# KiCad board cleanrobot-square-main.kicad_pcb (continued)
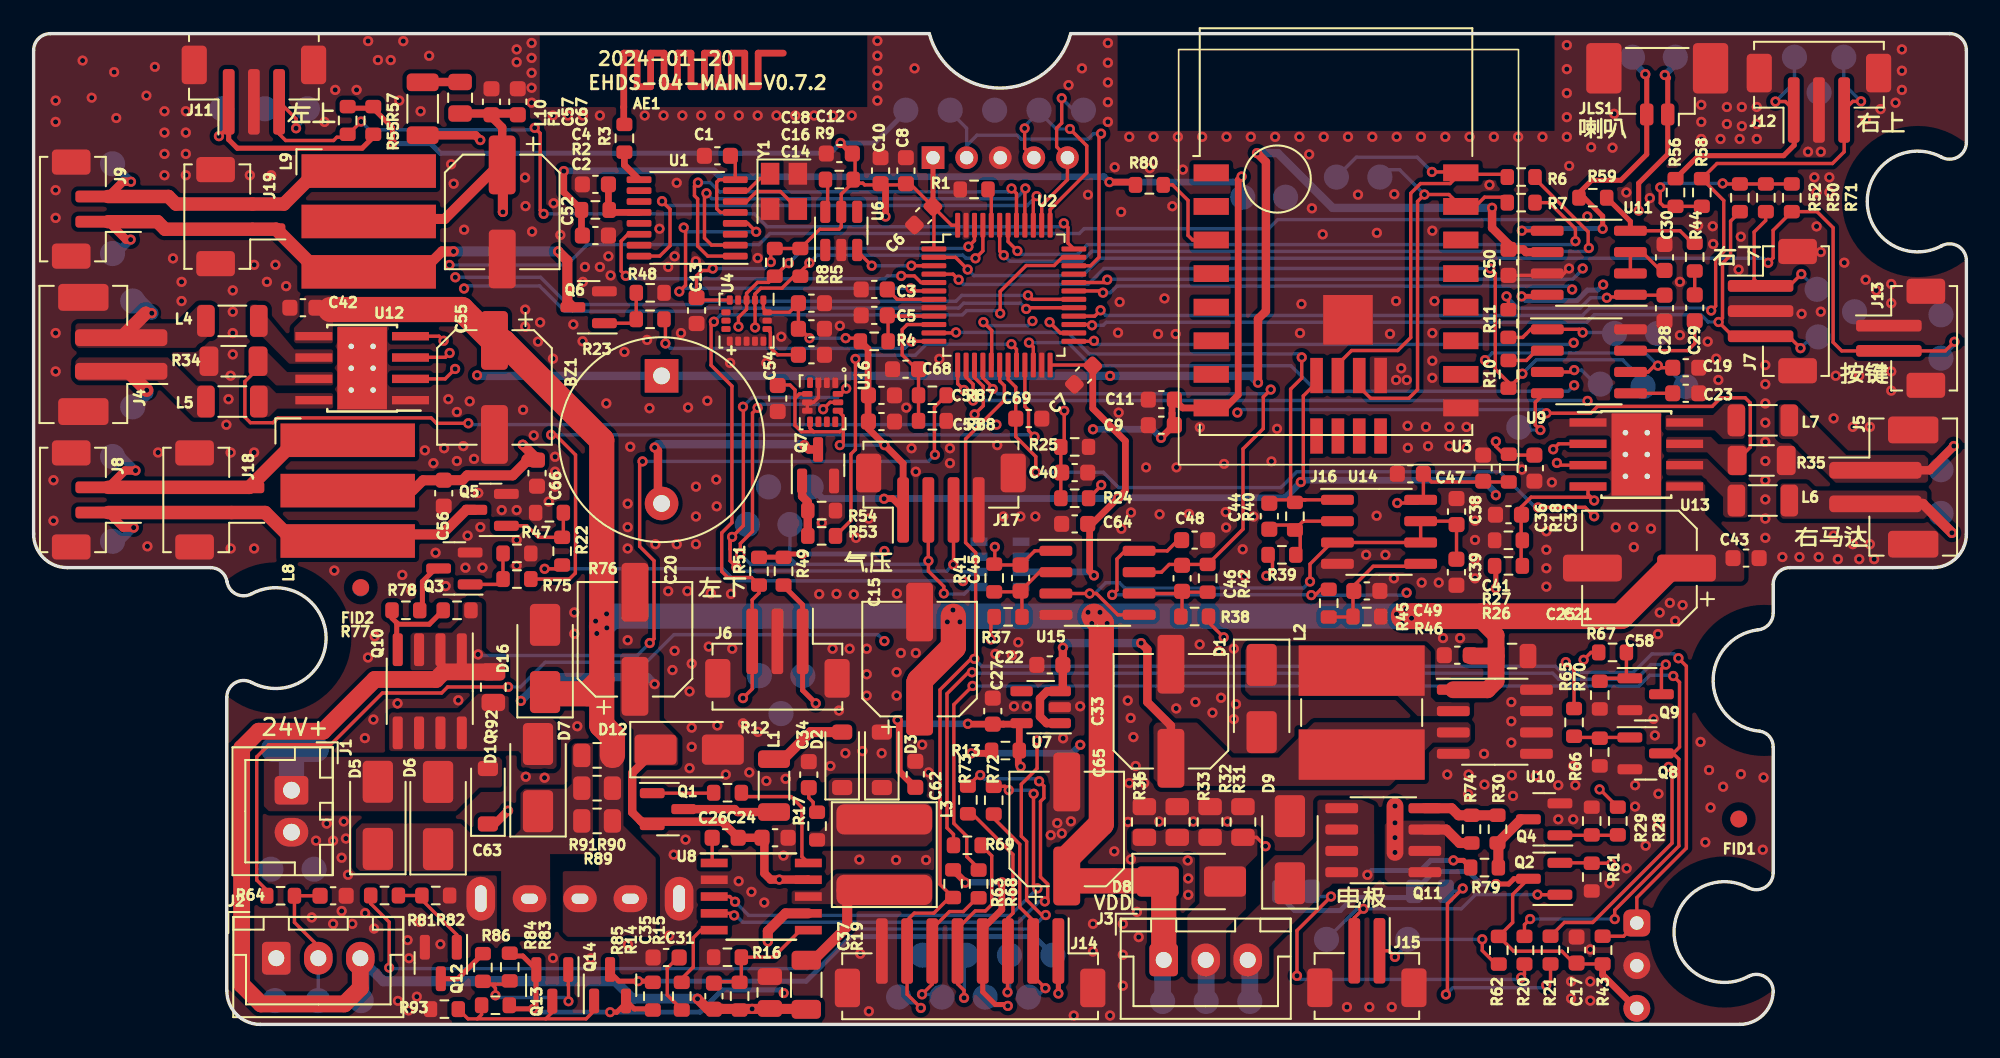
[diagram p0: board, top side]
## Footprints (pads in the part's own frame, mm; a bottom-side part is the same pattern mirrored in y, then rotated)
Buzzer_12x9.5RM7.6
  rect 2x2 hole 1: 1(0,0)
  round 2 hole 1: 2(7.6,0)
C_0603_1608Metric
  rrect 0.9x0.95 smd: 1(-0.775,0) 2(0.775,0)
C_0805_2012Metric
  rrect 1x1.45 smd: 1(-0.95,0) 2(0.95,0)
CP_Elec_6.3x5.4
  rrect 3.5x1.6 smd: 1(-2.8,0) 2(2.8,0)
D_SMA
  rrect 2.5x1.8 smd: 1(-2,0) 2(2,0)
D_SOD-123
  rrect 0.9x1.2 smd: 1(-1.65,0) 2(1.65,0)
Everlight_IRM-3640CF45
  rrect 1.6x1.6 hole 0.8: 1(-6.95,2.54)
  round 1.6 hole 0.8: 2(-6.95,0) 3(-6.95,-2.54)
Fiducial_1mm_Mask2mm
  round 1 smd: (0,0)
Fuse_0805_2012Metric
  rrect 0.975x1.4 smd: 1(-0.938,0) 2(0.938,0)
HOPERF_LGA-8_3.8x3.6mm_P0.9mm
  rect 1x0.5 smd: 1(-1.25,1.35) 2(-1.25,0.45) 3(-1.25,-0.45) 4(-1.25,-1.35) 5(1.25,-1.35) 6(1.25,-0.45) 7(1.25,0.45) 8(1.25,1.35)
JST_PH_B2B-PH-SM4-TB_1x02-1MP_P2.00mm_Vertical
  rrect 1x5.5 smd: 1(-1,-0.5) 2(1,-0.5)
  rrect 1.6x3 smd: MP(-3.4,1.75) MP(3.4,1.75)
JST_XH_B2B-XH-A_1x02_P2.50mm_Vertical
  rrect 1.7x2 hole 1: 1(0,0)
  oval 1.7x2 hole 1: 2(2.5,0)
JST_XH_B3B-XH-A_1x03_P2.50mm_Vertical
  rrect 1.7x1.95 hole 0.95: 1(0,0)
  oval 1.7x1.95 hole 0.95: 2(2.5,0) 3(5,0)
JST_ZH_B2B-ZR-SM4-TF_1x02-1MP_P1.50mm_Vertical
  rrect 0.7x3.9 smd: 1(-0.75,-0.7) 2(0.75,-0.7)
  rrect 1.5x2.3 smd: MP(-2.8,1.5) MP(2.8,1.5)
JST_ZH_B3B-ZR-SM4-TF_1x03-1MP_P1.50mm_Vertical
  rrect 0.7x3.9 smd: 1(-1.5,-0.7) 2(0,-0.7) 3(1.5,-0.7)
  rrect 1.5x2.3 smd: MP(-3.55,1.5) MP(3.55,1.5)
JST_ZH_B4B-ZR-SM4-TF_1x04-1MP_P1.50mm_Vertical
  rrect 0.7x3.9 smd: 1(-2.25,-0.7) 2(-0.75,-0.7) 3(0.75,-0.7) 4(2.25,-0.7)
  rrect 1.5x2.3 smd: MP(-4.3,1.5) MP(4.3,1.5)
JST_ZH_B8B-ZR-SM4-TF_1x08-1MP_P1.50mm_Vertical
  rrect 0.7x3.9 smd: 1(-5.25,-0.7) 2(-3.75,-0.7) 3(-2.25,-0.7) 4(-0.75,-0.7) 5(0.75,-0.7) 6(2.25,-0.7) 7(3.75,-0.7) 8(5.25,-0.7)
  rrect 1.5x2.3 smd: MP(-7.3,1.5) MP(7.3,1.5)
L_1206_3216Metric
  rrect 1.05x1.9 smd: 1(-1.575,0) 2(1.575,0)
L_GZJ_CD75
  rect 3x7.5 smd: 1(-2.5,0) 2(2.5,0)
L_GZJ_WNR6045
  rrect 1.8x5.7 smd: 1(-2.1,0) 2(2.1,0)
L_WLJ_CD0805
  rect 2x8 smd: 1(0,0) 2(-3,0) 3(3,0)
LED_0805_2012Metric
  rrect 0.975x1.4 smd: 1(-0.938,0) 2(0.938,0)
LGA-14_3x2.5mm_P0.5mm_LayoutBorder3x4y
  rrect 0.625x0.35 smd: 1(-1.163,0.75) 2(-1.163,0.25) 3(-1.163,-0.25) 4(-1.163,-0.75) 8(1.163,-0.75) 9(1.163,-0.25) 10(1.163,0.25) 11(1.163,0.75)
  rrect 0.35x0.625 smd: 5(-0.5,-0.912) 6(0,-0.912) 7(0.5,-0.912) 12(0.5,0.912) 13(0,0.912) 14(-0.5,0.912)
LGA-16_3x3mm_P0.5mm_LayoutBorder3x5y
  rrect 0.55x0.35 smd: 1(-1.225,1) 2(-1.225,0.5) 3(-1.225,0) 4(-1.225,-0.5) 5(-1.225,-1) 9(1.225,-1) 10(1.225,-0.5) 11(1.225,0) 12(1.225,0.5) 13(1.225,1)
  rrect 0.35x0.55 smd: 6(-0.5,-1.225) 7(0,-1.225) 8(0.5,-1.225) 14(0.5,1.225) 15(0,1.225) 16(-0.5,1.225)
LQFP-48_7x7mm_P0.5mm
  rrect 1.475x0.3 smd: 1(-4.162,2.75) 2(-4.162,2.25) 3(-4.162,1.75) 4(-4.162,1.25) 5(-4.162,0.75) 6(-4.162,0.25) 7(-4.162,-0.25) 8(-4.162,-0.75) 9(-4.162,-1.25) 10(-4.162,-1.75) 11(-4.162,-2.25) 12(-4.162,-2.75) 25(4.162,-2.75) 26(4.162,-2.25) 27(4.162,-1.75) 28(4.162,-1.25) 29(4.162,-0.75) 30(4.162,-0.25) 31(4.162,0.25) 32(4.162,0.75) 33(4.162,1.25) 34(4.162,1.75) 35(4.162,2.25) 36(4.162,2.75)
  rrect 0.3x1.475 smd: 13(-2.75,-4.162) 14(-2.25,-4.162) 15(-1.75,-4.162) 16(-1.25,-4.162) 17(-0.75,-4.162) 18(-0.25,-4.162) 19(0.25,-4.162) 20(0.75,-4.162) 21(1.25,-4.162) 22(1.75,-4.162) 23(2.25,-4.162) 24(2.75,-4.162) 37(2.75,4.162) 38(2.25,4.162) 39(1.75,4.162) 40(1.25,4.162) 41(0.75,4.162) 42(0.25,4.162) 43(-0.25,4.162) 44(-0.75,4.162) 45(-1.25,4.162) 46(-1.75,4.162) 47(-2.25,4.162) 48(-2.75,4.162)
Molex_PicoBlade_53398-0271_1x02-1MP_P1.25mm_Vertical
  rrect 0.8x1.3 smd: 1(-0.625,1.25) 2(0.625,1.25)
  rrect 2.1x3 smd: MP(-3.175,-1.5) MP(3.175,-1.5)
Oscillator_SMD_Abracon_ASE-4Pin_3.2x2.5mm
  rect 1.3x1.1 smd: 1(-1.05,-0.825) 2(1.05,-0.825) 3(1.05,0.825) 4(-1.05,0.825)
Ovo_PA2401_2.4GHz_Right
  round 0.4 smd: 1(0,0)
PinHeader_1x05_P2.00mm_Vertical
  rect 1.35x1.35 hole 0.8: 1(0,0)
  oval 1.35x1.35 hole 0.8: 2(0,-2) 3(0,-4) 4(0,-6) 5(0,-8)
R_0603_1608Metric
  rrect 0.8x0.95 smd: 1(-0.825,0) 2(0.825,0)
R_0805_2012Metric
  rrect 1.025x1.4 smd: 1(-0.912,0) 2(0.912,0)
R_1206_3216Metric
  rrect 1.125x1.75 smd: 1(-1.462,0) 2(1.462,0)
SOIC-8_3.9x4.9mm_P1.27mm
  rrect 1.95x0.6 smd: 1(-2.475,1.905) 2(-2.475,0.635) 3(-2.475,-0.635) 4(-2.475,-1.905) 5(2.475,-1.905) 6(2.475,-0.635) 7(2.475,0.635) 8(2.475,1.905)
SOT-23
  rrect 1.475x0.6 smd: 1(-0.938,0.95) 2(-0.938,-0.95) 3(0.938,0)
SOT-23-5
  rrect 1.325x0.6 smd: 1(-1.137,0.95) 2(-1.137,0) 3(-1.137,-0.95) 4(1.137,-0.95) 5(1.137,0.95)
SOT-23-6
  rrect 1.325x0.6 smd: 1(-1.137,0.95) 2(-1.137,0) 3(-1.137,-0.95) 4(1.137,-0.95) 5(1.137,0) 6(1.137,0.95)
SSOP-10_3.9x4.9mm_P1.00mm
  rect 1.6x0.51 smd: 1(-2.8,2) 2(-2.8,1) 3(-2.8,0) 4(-2.8,-1) 5(-2.8,-2) 6(2.8,-2) 7(2.8,-1) 8(2.8,0) 9(2.8,1) 10(2.8,2)
SW_SS12D44_SPDT_H4mm
  oval 2x1.6 hole 1x0.6: 1(-3,0) 2(0,0) 3(3,0)
  oval 1.7x2.6 hole 0.7x1.6: MP(-5.9,0) MP(5.9,0)
TestPoint_Pad_D1.5mm
  round 1.5 smd: 1(0,0)
Texas_HTSOP-8-1EP_3.9x4.9mm_P1.27mm_EP2.95x4.9mm_Mask2.4x3.1mm_ThermalVias
  rect 2.4x3.1 smd: (0,0) (0,0)
  rect 2.2x0.5 smd: 1(-2.875,1.905) 2(-2.875,0.635) 3(-2.875,-0.635) 4(-2.875,-1.905) 5(2.875,-1.905) 6(2.875,-0.635) 7(2.875,0.635) 8(2.875,1.905)
  round 0.63 hole 0.33: 9(-0.65,1.3) 9(-0.65,0) 9(-0.65,-1.3) 9(0.65,1.3) 9(0.65,0) 9(0.65,-1.3)
  rect 2.6x3.3 smd far side: 9(0,0)
  rect 2.95x4.9 smd: 9(0,0)
TSSOP-16_4.4x5mm_P0.65mm
  rrect 1.475x0.4 smd: 1(-2.862,2.275) 2(-2.862,1.625) 3(-2.862,0.975) 4(-2.862,0.325) 5(-2.862,-0.325) 6(-2.862,-0.975) 7(-2.862,-1.625) 8(-2.862,-2.275) 9(2.862,-2.275) 10(2.862,-1.625) 11(2.862,-0.975) 12(2.862,-0.325) 13(2.862,0.325) 14(2.862,0.975) 15(2.862,1.625) 16(2.862,2.275)
Tuya_BT3L
  rect 2.1x1 smd: 1(-7.425,7) 2(-7.425,5) 3(-7.425,3) 4(-7.425,1) 5(-7.425,-1) 6(-7.425,-3) 7(-7.425,-5) 8(-7.425,-7) 9(7.425,-7) 10(7.425,-5) 11(7.425,-3) 12(7.425,-1) 13(7.425,1) 14(7.425,3) 15(7.425,5) 16(7.425,7)
  rect 2.95x2.95 smd: 17(0.71,-1.75)
WBR1_Module_Conn
  rect 0.75x2.1 smd: 1(-1.905,1.8) 2(-1.905,-1.8) 3(-0.635,1.8) 4(-0.635,-1.8) 5(0.635,1.8) 6(0.635,-1.8) 7(1.905,1.8) 8(1.905,-1.8)

## Nets
+3.3VA: C36.1 C47.1 C48.1 R18.2 R45.1 U14.8 U15.8
+3.3VP: C2.1 C9.1 C11.1 R2.1 R13.2 R80.2 TP27.1 U3.8
+3V3: C6.2 C7.2 C8.2 C10.2 C12.1 C13.2 C16.2 C17.1 C18.2 C19.1 C27.1 C32.1 C51.2 C53.2 C54.2 C62.1 C64.1 D4.2 D11.2 J10.1 J14.4 J16.1 J17.1 Q2.3 R4.2 R5.2 R8.2 R9.1 R13.1 R18.1 R26.1 R43.1 R49.1 R50.1 R51.1 R52.1 R55.1 R56.1 R57.1 R58.1 R62.1 R63.2 R64.1 R71.1 TP4.1 TP17.1 TP29.1 TP63.1 U2.1 U2.24 U2.48 U4.1 U4.5 U4.16 U5.3 U6.5 U7.5 U9.6 U16.5 U16.8 U16.12 U18.3
+5V: BZ1.1 C22.1 C33.1 C50.1 L2.2 L10.1 U7.1 U7.3 U10.3 U11.6
+24V: D5.2 D6.2 D10.2 J1.1 TP49.1 TP50.1
GND: C1.2 C2.2 C3.1 C4.2 C5.1 C6.1 C7.1 C8.1 C9.2 C10.1 C11.2 C12.2 C13.1 C14.1 C15.2 C16.1 C17.2 C18.1 C19.2 C20.2 C21.2 C22.2 C23.2 C24.2 C25.2 C27.2 C28.2 C30.1 C31.2 C32.2 C33.2 C34.2 C36.2 C37.2 C38.2 C39.2 C40.2 C41.2 C42.2 C43.2 C47.2 C48.2 C49.2 C50.2 C51.1 C52.2 C53.1 C54.1 C55.2 C56.2 C57.2 C58.2 C62.2 C63.2 C64.2 C65.2 C66.2 C67.2 C68.2 C69.2 D1.2 D3.2 D9.2 D12.2 D16.2 J1.2 J2.1 J4.MP J5.MP J6.2 J6.MP J7.2 J7.MP J8.MP J9.MP J10.3 J11.2 J11.MP J12.2 J12.MP J13.1 J13.MP J14.8 J14.MP J15.MP J16.7 J17.4 J17.MP J18.MP J19.MP JLS1.MP Q3.2 Q4.2 Q5.2 Q6.2 Q7.2 Q8.2 Q9.2 Q12.2 R1.1 R16.2 R25.2 R27.2 R29.1 R31.2 R32.2 R33.2 R34.2 R35.2 R36.2 R46.2 R47.2 R48.2 R54.2 R61.2 R66.2 R70.2 R76.1 R82.2 R88.2 R93.1 SW1.MP TP5.1 TP18.1 TP21.1 TP22.1 TP23.1 TP24.1 TP25.1 TP26.1 TP47.1 TP48.1 TP60.1 TP61.1 TP62.1 U1.15 U2.8 U2.23 U2.47 U3.9 U3.17 U4.4 U4.9 U4.10 U4.11 U4.12 U4.13 U4.15 U5.2 U6.2 U7.2 U8.2 U9.8 U10.4 U10.5 U10.6 U10.7 U10.8 U11.7 U12.1 U12.9 U13.1 U13.9 U14.4 U15.4 U16.1 U16.2 U16.3 U16.6 U16.7 U18.2 U18.8 Y1.2 Y1.4
VDD: C15.1 C21.1 C25.1 C42.1 C43.1 C55.1 C58.1 C65.1 D8.1 D16.1 J3.1 Q11.1 Q11.2 Q11.3 R24.1 R74.1 R89.1 R90.1 R91.1 SW1.2 SW1.3 TP53.1 U10.1 U12.5 U13.5
VDDF: D5.1 D6.1 D7.1 R89.2 R90.2 R91.2 SW1.1
+BATT: C35.1 C37.1 J2.3 Q10.1 Q10.2 Q10.3 R15.1 R19.2 R77.2 R87.1 R92.2 TP51.1 U8.7
/driver/L_MOTOR_OUT+: J4.2 L4.2 TP58.1
/driver/L_MOTOR_OUT-: J4.1 L5.2 TP59.1
/driver/R_MOTOR_OUT+: J5.2 L6.2 TP56.1
/driver/R_MOTOR_OUT-: J5.1 L7.2 TP57.1
/driver/VREF55: C38.1 C39.1 U14.3 U14.6 U14.7 U15.3 U15.5
/main/BLE_MCU_RXD: R6.2 U2.43
/main/BLE_MCU_TXD: R7.2 U2.42
/main/MISO: U1.2 U2.40
/main/MOSI: U1.1 U2.41
/main/RF_REST: U1.4 U2.6
/main/SCK: U1.16 U2.39
/main/SCS: U1.14 U2.5
/main/TSD_DATA: U2.3 U6.3
/peripheral/BLUE: Q9.3 R21.1 R69.1
/peripheral/RED: Q8.3 R20.1 R68.1
/peripheral/V_CHRG_O: J14.1 Q14.3 R85.2 TP6.1
/peripheral/VOICE_BUSY: R11.1 TP16.1 U9.1
/power/TEMP: C63.1 J2.2 R64.2 TP52.1
ADC_ADAPTER: C40.1 R24.2 R25.1 U2.17
ADC_BATT: C68.1 R87.2 R88.1 U2.10
ADC_FAN_MOTOR: C44.2 R40.2 U2.11 U14.1
ADC_LEFT_MOTOR: C45.2 R41.2 U2.15 U15.1
ADC_RIGHT_MOTOR: C46.2 R42.2 U2.16 U15.7
BATT_ON: R75.2 U2.21
BELL: R53.1 U2.20
CHG_DONE_LED: J14.3 R73.1 TP9.1
CHG_LED_SW: R81.1 U2.26
CHG_ON_LED: J14.2 R72.1 TP8.1
EDGE_DET_LB: J6.3 R51.2 TP39.1 U2.35
EDGE_DET_LT: J11.3 R57.2 TP43.1 U2.36
EDGE_DET_RB: J7.3 R52.2 TP38.1 U2.27
EDGE_DET_RT: J12.3 R58.2 TP42.1 U2.28
IR_OUT: J14.7 R43.2 R63.1 TP10.1 U2.18 U5.1
LED_ABL: U2.33
LED_BLUE: R67.1 U2.25
LED_RED: R65.1 U2.22
PWM_FAN: R28.1 U2.14
PWM_LEFT1: U2.30 U12.3
PWM_LEFT2: U2.29 U12.2
PWM_RIGHT1: U2.32 U13.3
PWM_RIGHT2: U2.31 U13.2
SCL1: J17.2 R5.1 TP28.1 U2.45 U4.2 U16.13 U18.5
SDA1: J17.3 R8.1 TP30.1 U2.46 U4.3 U16.14 U18.6
SPRAY_BACK: R22.1 U2.13
SPRAY_FRONT: R23.1 U2.12
START: J13.2 R71.2 TP12.1 U2.2
SWCLK: J10.4 TP3.1 U2.37
SWDIO: J10.2 TP2.1 U2.34
UART2_RX: J10.5 TP1.1 U2.38
V_CHRG_I: C20.1 C24.1 C26.1 D10.1 D12.1 Q1.2 Q13.2 Q14.2 R83.2 R85.1 R86.2 U8.9
VOICE_DATA: R10.1 TP13.1 U2.4
WATER_DET: C69.1 Q2.2 R61.1 U2.19
Net-(AE1-A): AE1.1 R3.2
Net-(BZ1-+): BZ1.2 Q7.3
Net-(C29-Pad2): C29.2 R44.1
Net-(C31-Pad1): C31.1 R14.2
Net-(C34-Pad1): C34.1 R17.2
Net-(C52-Pad1): C52.1 C56.1 C57.1 C66.1 C67.1 F1.2 L8.1 L9.1
Net-(D1-K): D1.1 L2.1 U10.2
Net-(D2-A): D2.2 L1.2
Net-(D2-K): D2.1 D3.1 L3.1 R17.1
Net-(D4-K): D4.1 R21.2
Net-(D7-A): D7.2 Q10.5 Q10.6 Q10.7 Q10.8 R92.1
Net-(D8-A): D8.2 J3.2 R31.1 R32.1 R33.1 R36.1 R39.1 TP55.1
Net-(D9-K): D9.1 J3.3 Q11.5 Q11.6 Q11.7 Q11.8 R79.2 TP54.1
Net-(D11-K): D11.1 R20.2
Net-(F1-Pad1): F1.1 L10.2
Net-(J6-Pin_1): J6.1 R49.2 TP37.1
Net-(J7-Pin_1): J7.1 R50.2 TP40.1
Net-(J11-Pin_1): J11.1 R55.2 TP41.1
Net-(J12-Pin_1): J12.1 R56.2 TP44.1
Net-(J14-Pin_5): J14.5 R69.2 TP11.1
Net-(J14-Pin_6): J14.6 R68.2 TP7.1
Net-(J15-Pin_1): J15.1 R62.2 TP31.1
Net-(J15-Pin_2): J15.2 Q2.1 TP32.1
Net-(J16-Pin_3): J16.3 R6.1 TP19.1 U3.16
Net-(J16-Pin_5): J16.5 R7.1 TP20.1 U3.15
Net-(J18-Pin_1): J8.1 J18.1 L8.2 Q5.3 TP34.1
Net-(J18-Pin_2): J8.2 J18.2 L8.3 TP33.1
Net-(J19-Pin_1): J9.1 J19.1 L9.2 Q6.3 TP36.1
Net-(J19-Pin_2): J9.2 J19.2 L9.3 TP35.1
Net-(JLS1-Pin_1): JLS1.1 TP46.1 U11.8
Net-(JLS1-Pin_2): JLS1.2 R59.2 TP45.1 U11.5
Net-(Q1-D): L1.1 Q1.3
Net-(Q1-G): Q1.1 R12.1
Net-(Q3-B): Q3.1 R75.1 R76.2
Net-(Q3-C): Q3.3 R78.1
Net-(Q4-B): Q4.1 R28.2 R29.2
Net-(Q4-C): Q4.3 R30.2 R79.1
Net-(Q5-G): Q5.1 R22.2 R47.1
Net-(Q6-G): Q6.1 R23.2 R48.1
Net-(Q7-B): Q7.1 R53.2 R54.1
Net-(Q8-B): Q8.1 R65.2 R66.1
Net-(Q9-B): Q9.1 R67.2 R70.1
Net-(Q10-G): Q10.4 R77.1 R78.2
Net-(Q11-G): Q11.4 R30.1 R74.2
Net-(Q12-B): Q12.1 R81.2 R82.1
Net-(Q12-C): Q12.3 R84.1
Net-(Q13-B): Q13.1 R83.1 R84.2
Net-(Q13-C): Q13.3 Q14.1 R86.1 R93.2
Net-(U1-ANTB): R3.1 U1.9
Net-(U1-LDO_IN): C4.1 R2.2 U1.12
Net-(U1-LDO_OUT): C1.1 U1.5 U1.8
Net-(U1-XTALI): U1.7 Y1.1
Net-(U1-XTALO): U1.6 Y1.3
Net-(U2-BOOT0): R1.2 U2.44
Net-(U2-NRST): C3.2 U2.7
Net-(U2-VDDA): C5.2 R4.1 U2.9
Net-(U3-EN): R80.1 U3.3
Net-(U4-REGOUT): C14.2 U4.14
Net-(U6-PA3): R9.2 U6.6
Net-(U8-COM): R14.1 U8.5
Net-(U8-CSP): L3.2 R19.1 U8.8
Net-(U8-DRV): R12.2 U8.10
Net-(U8-FB): C35.2 R15.2 R16.1 U8.6
Net-(U8-VG): C26.2 U8.1
Net-(U8-~{CHRG}): R72.2 U8.3
Net-(U8-~{DONE}): R73.2 U8.4
Net-(U9-PC1/SO): R10.2 U9.2
Net-(U9-PI0/SI): TP15.1 U9.3
Net-(U9-PI1/SCK): TP14.1 U9.4
Net-(U9-PWMN): C23.1 U9.5
Net-(U9-PWMP/DAC): C29.1 U9.7
Net-(U11-BYPASS): C30.2 U11.2 U11.3
Net-(U11-IN-): R44.2 R59.1 U11.4
Net-(U11-~{SD}): C28.1 R11.2 U11.1
Net-(U12-ISEN): R34.1 R37.1 U12.7
Net-(U12-OUT1): L4.1 U12.6
Net-(U12-OUT2): L5.1 U12.8
Net-(U12-VREF): C41.1 R26.2 R27.1 U12.4 U13.4
Net-(U13-ISEN): R35.1 R38.1 U13.7
Net-(U13-OUT1): L6.1 U13.6
Net-(U13-OUT2): L7.1 U13.8
Net-(U14A--): C44.1 R39.2 R40.1 U14.2
Net-(U14B-+): C49.1 R45.2 R46.1 U14.5
Net-(U15A--): C45.1 R37.2 R41.1 U15.2
Net-(U15B--): C46.1 R38.2 R42.1 U15.6

Pads without a net: J16 2 4 6 8; U1 3 10 11 13; U3 1 2 4 5 6 7 10 11 12 13 14; U4 6 7 8; U6 1 4; U7 4; U16 4 9 10 11; U18 1 4 7

## Via types
v1: diameter 0.61, hole 0.305, Top to Bottom, 767 vias
v2: diameter 0.6, hole 0.3, Top to Bottom, 39 vias

## Routing (per net, layer and track width the routed paths; a pad name or vN(x,y) marks a point on that pad's centre or on a via; arc(x,y) is an arc through that point)
+3.3VA: length 39.3
  Top w0.203: v1(81.14,31.05) 82.34,31.05 U14.8 82.69,31.4 C47.1 83.17,32.3 R18.2 ; R45.1 76.59,25.91 76.25,25.56 v1(76.02,25.56) ; v1(64.18,25.58) 64.46,25.86 64.46,27.71 64.95,28.2 U15.8 67.45,28.2 67.45,28.2 68.09,28.84 C48.1
  In2.Cu w0.203: v1(81.14,31.05) 81.69,30.49 v1(81.69,25.71)
  Bottom w0.203: v1(81.69,25.71) 81.55,25.56 v1(76.02,25.56) 76.01,25.58 v1(64.18,25.58)
+3.3VP: length 100.4
  Top w0.4: C2.1 32.6,47.02 R2.1 31.55,49.55 v1(31.55,50.81) ; v1(64.01,50.16) 65.4,50.16 R80.2 ; v1(71.87,50.49) 71.67,50.29 71.67,37.48 70.9,36.71 U3.8 68.37,36.71 C11.1 ; 67.74,36.4 67.74,37.06 ; 67.74,36.4 67.74,35.58 v1(67.08,34.93) ; 67.74,36.4 67.74,35.82 ; R13.2 56.83,16.14 v1(55.79,16.14)
  In2.Cu w0.4: v1(62.28,16.65) 62.98,17.35 62.98,22.47 61.89,23.55 61.89,34.3 v1(63.03,35.44)
  Bottom w0.4: 71.61,50.16 71.87,50.42 v1(71.87,50.49) ; 71.61,50.16 v1(64.01,50.16) 63.69,50.48 40.84,50.48 40.48,50.83 31.56,50.83 v1(31.55,50.81) ; 71.61,50.16 71.95,49.82 TP27.1 ; v1(67.08,34.93) 66.57,35.44 v1(63.03,35.44) ; v1(55.79,16.14) 55.8,16.15 61.78,16.15 v1(62.28,16.65)
+3V3: length 402
  Top w0.2: 53.51,48.71 C6.2
  Top w0.203: v1(46.17,40.86) 45.51,41.52 C18.2 44.97,42.41 U4.16 43.42,42.63 U4.1 ; 48.93,50.31 48.88,50.36 48.88,51.86 ; 48.93,50.31 48.05,49.43 48.05,47.48 47.92,47.34 46.77,47.34 R5.2 R8.2 43.86,45.97 v1(43.86,45.39) ; 48.93,50.31 49.14,50.09 49.34,50.09 49.44,49.99 52.22,49.99 C6.2 ; U2.24 62.97,39.26 ; 62.84,29.69 C64.1 ; 87.82,33.9 87.52,33.9 87,34.41 v1(87,34.71) ; 87.82,33.9 R18.1 ; 87.82,33.9 C32.1 ; v1(40.41,45.01) 40.29,44.89 39.77,44.89 39.44,44.57 C13.2 39.6,43.13 U4.5 ; C6.2 53.57,48.64 U2.1 ; C6.2 54.62,47.59 U2.48 ; R52.1 100.53,50.05 v1(100.5,50.08) ; 101.52,50.03 101.54,50.05 R71.1 ; 46.41,35.29 45.68,35.29 45.3,35.67 45.3,37.28 ; 46.41,35.29 47.96,35.29 48.18,35.5 ; 46.41,35.29 46.2,35.5 U16.8 ; U16.12 48.18,36.23 48.18,34.7 v1(47.97,34.49) ; J14.4 56.47,5.7 ; J16.1 76.34,38.21 75.55,37.42 75.55,32.44 v1(75.4,32.29) ; 45.3,37.28 45.57,37.54 U16.5 ; 45.3,37.28 45.3,37.78 45.01,38.07 44.36,38.07 ; Q2.3 88,7.73 88,6.07 R62.1 88.06,4.36 90.93,4.36 91.64,3.65 C17.1 91.86,3.6 R43.1 ; v1(96.79,49.84) 96.79,48.92 96.99,48.71 R56.1 R58.1 ; R4.2 49,40.86 v1(48.32,40.86) ; C19.1 96.76,39.1 v1(96.64,39.23) 96.45,39.23 96.07,38.85 U9.6 ; 44.75,27.82 44.76,27.81 44.95,28.01 ; v1(28.23,20.09) 24.64,20.09 24.28,19.73 20.75,19.73 17.67,16.65 14,16.65 13.27,15.93 13.27,8.59 13.87,8 R64.1
  Top w0.3: J14.4 56.47,1.94 57.23,1.18 57.88,1.18 v1(57.96,1.1) ; v1(87,25.97) 87,27.48 ; v1(21.35,52.45) 21.35,53.4 20.2,54.56 18.67,54.56 ; v1(48.01,52.49) 48.64,51.86 48.88,51.86 ; Q2.3 88.08,8.67 87.76,8.36 v1(87.02,8.36) ; 43.16,27.82 44.75,27.82 ; J10.1 53.51,48.71 ; 44.95,28.01 v1(45.73,28.01)
  Top w0.4: C62.1 51.51,15.07 51.51,18.02 v1(51.41,18.12) ; C64.1 62.98,29.8 v1(64.54,31.36) 64.96,31.78 64.96,34.74 63.02,36.68 C7.2 62.97,39.26 ; v1(63.09,26.73) 62.84,26.99 62.84,29.69 ; v1(55.43,8.44) 55.43,8.49 R63.2 ; R4.2 49.65,40.22 49.65,35.49 51.74,33.4 J17.1 51.74,30.69 51.11,31.31 50.61,31.31 v1(50.6,31.3) ; R43.1 93.36,2.95 95.34,0.96 U5.3 ; 57.71,17.88 55.61,17.88 v1(55.59,17.9) ; 57.71,17.88 C27.1 ; 57.71,17.88 58.72,17.88 ; v1(58.73,15.35) 58.59,15.49 58.59,16.25 ; v1(57.62,8.46) 57.61,8.46 57.61,6.84 56.47,5.7 ; 58.65,17.8 58.65,16.58 ; v1(50.69,48.11) 50.69,49.99
  In2.Cu w0.203: 87,31.63 v1(87,31.51) ; v1(96.64,39.23) 96.79,39.37 v1(96.79,49.84)
  In2.Cu w0.3: v1(87,25.97) 87,8.37 v1(87.02,8.36)
  In2.Cu w0.4: v1(58.73,15.35) 58.73,9.58 v1(57.62,8.46) ; v1(86.36,39.55) 87,38.91 87,34.2 ; v1(87,34.71) 87,34.2 ; 87,34.2 87,32.67 87,31.63 ; v1(87,31.51) v1(87,25.97) ; v1(50.69,48.11) 50.69,31.39 v1(50.6,31.3) 50.62,31.28 v1(50.62,28.19) v1(50.62,22.82) 50.62,18.91 v1(51.41,18.12)
  Bottom w0.203: v1(100.5,50.08) 97.02,50.08 v1(96.79,49.84) ; TP17.1 97.19,39.1 96.76,39.1 v1(96.64,39.23) 95.89,39.98 86.79,39.98 v1(86.36,39.55) ; 57.07,1.18 TP29.1 ; v1(28.23,20.09) 28.97,20.09 30.44,21.56 36.45,21.56 38.1,23.21 50.24,23.21 v1(50.62,22.82) ; v1(40.41,45.01) 43.48,45.01 v1(43.86,45.39) ; v1(47.97,34.49) v1(50.63,34.49) ; 46.31,40.86 v1(48.32,40.86)
  Bottom w0.3: 51.9,54.34 50.04,52.49 v1(48.01,52.49) 47.4,51.87 24.2,51.87 23.63,52.45 v1(21.35,52.45) ; D11.2 74.18,7.63 75.03,6.78 77.74,6.78 78.52,7.55 81.77,7.55 D4.2 83.33,9.11 85.37,9.11 86.12,8.36 v1(87.02,8.36) ; 57.07,1.18 57.89,1.18 v1(57.96,1.1) ; v1(50.62,28.19) 50.44,28.01 v1(45.73,28.01)
  Bottom w0.4: 51.11,31.32 51.09,31.3 v1(50.6,31.3) ; 51.11,31.32 64.49,31.32 v1(64.54,31.36) 74.47,31.36 v1(75.4,32.29) 75.5,32.4 86.24,32.4 87,31.63 ; 51.11,31.32 46.95,31.32 TP63.1 ; v1(55.59,17.9) 51.63,17.9 v1(51.41,18.12) ; U18.3 62.88,26.94 v1(63.09,26.73) ; v1(55.43,8.44) 55.45,8.46 v1(57.62,8.46)
+5V: length 135.3
  Top w0.5: v1(26.58,52.66) 26.29,52.95 L10.1 ; 67.67,15.95 67.67,17.79 66.27,19.19 66.27,22.33 v1(65.9,22.71) ; v1(72.79,51.88) 73.32,51.35 73.32,42.47 72.85,42 v1(72.85,38.21) ; v1(61.24,22.43) C22.1 61.24,21.4 61.24,20.02 U7.3 60.3,19.84 59.88,19.41 59.88,18.33 60.27,17.94 U7.1 ; U11.6 88.8,45.99 88.63,46.15 C50.1 87.76,46.45 86.78,47.43 v1(86.78,48.62)
  In2.Cu w0.5: v1(61.24,22.43) 61.24,34.79 64.05,37.6 v1(64.05,38.61) ; v1(26.58,52.66) 26.89,52.34 26.89,39.16 v2(26.39,38.65)
  Bottom w0.5: v1(86.78,48.62) 77.29,48.62 74.03,51.88 v1(72.79,51.88) ; v1(61.24,22.43) 61.51,22.71 v1(65.9,22.71) ; v1(72.85,38.21) 72.45,38.61 v1(64.05,38.61) 64.05,38.62 BZ1.1 26.42,38.62 v2(26.39,38.65)
+24V: length 5.1
  Bottom w1.5: TP50.1 15.64,16.38 ; 15.64,16.38 TP49.1 ; 15.64,16.38 15.34,16.08 J1.1
GND: length 5.9
  Top w0.203: U16.3 46.7,37.33 46.41,37.04 U16.6 U16.7 ; v1(91.36,45.01) 90.95,44.6 C50.2
  vias: v1(1.18,32.4) v1(1.18,29.99) v1(1.31,55.01) v1(1.31,53.74) v1(1.31,49.68) v1(1.31,48.02) v1(1.31,41.17) v1(1.31,38.88) v1(6.77,28.47) v1(7.41,34.05) v1(7.79,54.37) v1(7.79,53.1) v1(7.79,51.83) v1(7.79,50.56) v1(8.29,45.61) v1(8.8,44.21) v1(8.8,43.07) v1(9.06,54.37) v1(9.06,53.1) v1(9.06,51.83) v1(9.06,50.56) v1(11.47,35.71) v1(11.6,37.23) v1(11.72,38.63) v1(11.72,34.05) v1(11.72,28.34) v1(11.85,43.71) v1(11.85,42.44) v1(11.85,41.17) v1(11.85,39.9) v1(12.87,50.56) v1(13.12,45.23) v1(13.12,34.05) v1(13.12,28.34) v1(13.88,44.21) v1(14.14,50.56) v1(14.39,45.23) v1(15.03,43.96) v1(16.55,6.37) v1(16.8,10.94) v1(17.31,53.74) v1(17.44,11.96) v1(17.89,27.03) v1(17.82,10.94) v1(17.82,5.99) v1(17.95,55.64) v1(18.33,9.92) v1(18.33,6.75) v1(18.45,12.08) v1(18.58,11.07) v1(18.71,8.91) v1(18.96,5.99) v1(19.22,55.64) v1(19.71,17.05) v1(19.72,6.62) v1(19.9,58.55) v1(19.9,21.85) v1(20.3,23.1) v1(20.22,18.15) v1(20.26,5.71) v1(20.49,57.42) v1(21.25,57.42) v1(21.65,19.11) v1(21.76,55.01) v1(21.99,58.55) v1(21.94,26.76) v1(22.48,25.82) v1(23.03,54.37) v1(23.28,34.18) v1(23.53,57.68) v1(23.79,33.42) v1(23.92,28.09) v1(24.42,34.31) v1(24.51,26.1) v1(24.68,37.23) v1(24.84,51.22) v1(24.99,50.06) v1(25.19,36.47) v1(25.19,33.55) v1(25.27,19.3) v1(25.57,34.44) v1(25.62,47.32) v1(25.69,27.2) v1(25.82,29.1) v1(25.95,37.1) v1(26.2,33.67) v1(26.46,31.64) v1(26.58,29.61) v1(26.71,27.2) v1(27.85,30.63) v1(28.74,58.06) v1(28.74,57.3) v1(28.74,30.63) v1(28.74,28.85) v1(28.74,27.32) v1(29.12,36.59) v1(29.24,50.43) v1(29.27,48.73) v1(29.25,42.56) v1(29.25,41.55) v1(29.28,14.75) v1(29.63,58.44) v1(29.63,57.55) v1(29.63,56.66) v1(29.63,55.77) v1(29.63,54.88) v1(29.66,47.21) v1(29.76,35.07) v1(30.01,40.66) v1(30.14,41.8) v1(30.4,14.69) v1(30.65,31.13) v1(30.9,54.12) v1(30.9,39.64) v1(30.94,48.9) v1(31.03,33.8) v1(31.03,32.91) v1(31.03,32.02) v1(31.34,47.01) v1(31.79,54.12) v1(32.11,41.68) v1(32.17,24.53) v1(32.17,23.26) v1(32.35,17.76) v1(32.68,54.12) v1(32.68,44.21) v1(32.66,40.68) v1(32.81,45.1) v1(33.69,54.12) v1(33.69,45.1) v1(34.08,36.98) v1(34.2,45.74) v1(34.33,44.6) v1(35.15,40.04) v1(35.35,31.01) v1(35.35,29.61) v1(35.35,28.34) v1(35.35,22.88) v1(35.5,34.4) v1(36.36,54.12) v1(36.5,40.76) v1(36.65,36.69) v1(37,28.59) v1(37.24,47.38) v1(37.48,54.12) v1(37.76,45.1) v1(37.76,25.8) v1(38.01,21.1) v1(38.09,10.11) v1(38.14,45.74) v1(38.14,22.24) v1(38.26,50.11) v1(38.27,28.59) v1(38.6,54.12) v1(38.52,41.17) v1(38.79,11) v1(38.9,25.8) v1(38.94,36.74) v1(39.03,19.83) v1(39.03,15.26) v1(39.16,21.48) v1(39.16,17.67) v1(39.16,16.53) v1(39.4,45.44) v1(39.41,32.02) v1(39.41,30.24) v1(39.41,28.59) v1(39.72,54.12) v1(40.09,37.13) v1(40.17,22.5) v1(40.29,25.67) v1(40.62,32.44) v1(40.64,30.85) v1(40.68,17.8) v1(40.84,54.12) v1(41.19,14.88) v1(41.44,39.39) v1(41.5,25.64) v1(41.57,22.37) v1(41.96,54.12) v1(41.95,8.53) v1(42.2,17.93) v1(42.58,15) v1(42.71,7.89) v1(43.08,54.12) v1(43.08,45.63) v1(43.09,17.42) v1(43.47,7.26) v1(43.6,39.39) v1(43.6,14.5) v1(44.2,54.12) v1(44.49,40.95) v1(44.62,10.05) v1(44.74,14.62) v1(45.32,54.12) v1(46.44,54.12) v1(46.74,25.62) v1(46.9,29.86) v1(47.41,15.39) v1(47.56,54.12) v1(47.54,22.37) v1(47.77,25.64) v1(47.97,41.6) v1(47.92,18.69) v1(48.3,16.15) v1(48.55,22.37) v1(48.68,54.12) v1(48.8,25.6) v1(48.93,28.97) v1(49.13,9.81) v1(49.19,4.21) v1(49.32,16.27) v1(49.57,22.37) v1(49.57,20.85) v1(49.57,19.58) v1(49.7,30.12) v1(49.7,0.78) v1(50.2,58.57) v1(50.2,57.68) v1(50.2,56.79) v1(50.2,55.9) v1(50.2,55.01) v1(50.46,16.15) v1(51.36,25.65) v1(51.35,20.97) v1(51.35,19.58) v1(51.31,9.79) v1(51.6,22.12) v1(51.92,36.73) v1(52.24,34.31) v1(52.41,56.93) v1(52.49,32.91) v1(52.49,22.12) v1(52.87,16.66) v1(53.1,9.79) v1(53.25,15) v1(53.89,39.63) v1(54.52,34.31) v1(54.52,33.42) v1(57.22,22.06) v1(57.34,34.49) v1(57.7,30.24) v1(58.21,21.99) v1(58.33,18.94) v1(58.59,22.75) v1(58.71,30.24) v1(59.09,18.94) v1(59.6,30.24) v1(60.52,11.27) v1(60.91,11.99) v1(61.17,11.37) v1(61.25,17.04) v1(61.58,55.93) v1(61.72,12.09) v1(61.89,0.53) v1(62.27,18.94) v1(62.38,56.93) v1(63.03,5.99) v1(63.03,4.34) v1(63.92,58.44) v1(63.92,57.26) v1(63.92,56.09) v1(63.92,54.91) v1(63.92,53.74) v1(64.05,0.53) v1(64.3,10.31) v1(64.33,51.04) v1(64.52,41.19) v1(64.56,36.43) v1(64.71,48.38) v1(64.62,43.02) v1(64.72,29.51) v1(64.81,5.99) v1(64.81,4.15) v1(64.81,2.3) v1(65.1,19.28) v1(65.19,52.85) v1(65.19,14.37) v1(65.11,12.06) v1(65.29,30.48) v1(65.27,18.25) v1(65.29,9.82) v1(65.44,17.11) v1(65.57,15.39) v1(65.65,6.7) v1(65.75,5.2) v1(66.08,14.37) v1(66.41,50.99) v1(66.64,52.85) v1(66.9,41.11) v1(67,30.37) v1(66.97,12.08) v1(67.29,43.23) v1(67.75,48.72) v1(67.95,41.11) v1(67.98,18.81) v1(68.08,52.85) v1(68.38,50.9) v1(68.67,9.76) v1(68.7,8.69) v1(68.7,7.72) v1(68.74,30.39) v1(69,12.08) v1(69.13,19.2) v1(69.39,35.55) v1(69.38,22.62) v1(69.53,52.85) v1(70.14,18.56) v1(70.52,22.24) v1(70.65,19.45) v1(70.98,52.85) v1(70.93,30.51) v1(70.96,29.59) v1(71.03,12.08) v1(71.41,22.37) v1(71.41,18.18) v1(71.54,19.07) v1(71.94,28.29) v1(72.05,26.69) v1(72.42,52.85) v1(72.59,30.24) v1(73.87,52.85) v1(75.31,52.85) v1(75.35,41.17) v1(75.44,42.9) v1(75.9,51.8) v1(76.06,48.6) v1(76.7,47.04) v1(76.76,52.85) v1(78.14,1.03) v1(78.21,52.85) v1(78.8,49.41) v1(79.29,27.96) v1(79.48,1.03) v1(79.65,52.85) v1(79.92,47.14) v1(79.91,30.29) v1(80.43,27.96) v1(80.71,41.12) v1(80.81,1.03) v1(80.96,49.43) v1(80.94,26.56) v1(81.1,52.85) v1(81.07,43.07) v1(81.07,38.37) v1(81.37,39.07) v1(81.7,38.37) v1(81.75,35.64) v1(81.77,34.33) v1(82.55,52.85) v1(82.59,26.31) v1(82.84,35.58) v1(82.97,34.44) v1(83.22,47.26) v1(83.22,41.17) v1(83.22,39.52) v1(83.22,38.5) v1(83.35,43.07) v1(83.61,26.31) v1(83.86,23.01) v1(83.99,52.85) v1(84.11,14.88) v1(84.24,35.58) v1(84.24,34.44) v1(84.88,23.01) v1(85.26,35.58) v1(85.26,34.31) v1(85.38,14.88) v1(85.36,13.71) v1(85.44,52.85) v1(85.76,31.13) v1(85.76,29.99) v1(85.76,28.85) v1(85.76,27.7) v1(85.76,26.56) v1(86.3,16.11) v1(86.33,14.28) v1(86.63,49.99) v1(86.89,52.85) v1(87.92,19.2) v1(87.92,18.05) v1(87.92,16.78) v1(87.96,14.84) v1(88.03,13.6) v1(88.33,52.85) v1(88.56,33.04) v1(89.39,14.8) v1(89.78,52.85) v1(90.01,29.36) v1(90.01,28.26) v1(90.01,27.17) v1(90.01,26.07) v1(90.34,32.28) v1(90.72,14.24) v1(90.72,12.21) v1(91.23,58.31) v1(91.23,56.88) v1(91.23,55.45) v1(91.23,54.03) v1(91.23,52.85) v1(91.48,2.56) v1(91.48,1.54) v1(91.61,15.39) v1(91.61,12.21) v1(91.73,14.24) v1(92.62,4.46) v1(92.62,2.56) v1(92.62,1.42) v1(93.77,8.4) v1(93.95,52.2) v1(94.04,54.22) v1(94.14,29.6) v1(94.77,49.54) v1(94.78,9.29) v1(95.19,29.62) v1(95.21,28.42) v1(95.29,14.24) v1(95.29,12.97) v1(95.92,10.65) v1(96.17,49.2) v1(96.23,29.52) v1(96.39,18.19) v1(96.47,17.21) v1(96.65,23.24) v1(96.68,13.73) v1(96.68,12.01) v1(96.76,24.52) v1(97.36,25.1) v1(97.67,24.03) v1(97.96,44.21) v1(97.96,41.04) v1(98.12,24.97) v1(99.04,47.57) v1(99.18,16.82) v1(99.23,54.76) v1(99.23,53.74) v1(99.23,52.72) v1(99.47,10.84) v1(99.61,40.66) v1(99.69,15.15) v1(99.78,12.92) v1(99.91,47.53) v1(99.93,46.47) v1(100.12,39.64) v1(100.24,38.37) v1(100.37,52.72) v1(100.53,14.15) v1(100.75,54.63) v1(100.75,53.61) v1(101.45,44.94) v1(101.51,52.72) v1(101.58,46.91) v1(101.59,14.9) v1(101.64,54.63) v1(101.64,53.49) v1(102.53,54.63) v1(102.53,53.61) v1(102.53,52.72) v1(102.89,10.4) v1(102.93,14.7) v1(103.04,39.26) v1(103.04,38.12) v1(103.04,36.98) v1(103.04,35.83) v1(103.04,34.69) v1(103.04,33.55) v1(103.04,32.4) v1(103.04,31.26) v1(103.04,30.12) v1(103.04,28.97) v1(104.05,27.83) v1(105.07,27.83) v1(105.2,42.31) v1(105.58,51.96) v1(105.96,50.44) v1(106.08,49.55) v1(106.08,47.52) v1(106.21,27.83) v1(106.34,51.96) v1(106.34,45.99) v1(106.34,42.44) v1(106.85,50.44) v1(106.85,49.55) v1(107.1,36.09) v1(107.1,29.1) v1(107.23,38.63) v1(107.35,27.7) v1(107.74,45.36) v1(108.24,35.58) v1(108.24,28.59) v1(108.62,38.63) v1(108.62,27.7) v1(109.01,53.87) v1(109.01,44.34) v1(109.26,35.58) v1(109.26,28.59) v1(109.51,27.7) v1(109.64,43.71) v1(109.89,54.5) v1(110.53,44.09) v1(110.53,42.94) v1(110.53,38.88) v1(110.53,37.74) v1(110.78,54.88) v1(111.16,58.06) v1(111.16,56.79) v1(111.16,55.64) v2(2.91,57.39) v2(3.46,55.18) v2(4.79,56.7) v2(4.92,53.97) v2(6.71,55.31) v2(7.21,57.02) v2(21.67,1.4) v2(22.25,5.02) v2(22.34,3.94) v2(22.31,0.83) v2(22.8,1.65) v2(22.96,6.1) v2(24.2,4.77) v2(30.9,3.95) v2(33.15,3.94) v2(35.36,4.76) v2(37.82,5.29) v2(62.73,49.4) v2(66.19,33.17) v2(68,33.17) v2(70.83,33.38) v2(73.65,33.53) v2(73.99,35.47) v2(91.37,51.12) v2(92.67,52.23)
VDD: length 181.1
  Top w0.203: R24.1 63.52,32.09 v1(63.52,32.12) ; 61.47,8.94 61.47,9.55
  Top w0.6: 82.78,11.6 84.05,11.6 84.85,10.8 R74.1
  Top w0.8: R91.1 34.6,16.18 34.71,16.18
  Top w1: C21.1 87.02,23.17 86.13,24.05 ; C21.1 87.02,20.44 86.5,19.93 U10.1 ; C21.1 85.53,21.93 ; v1(81,10.24) v1(81,13)
  Top w1.5: 33.8,20.53 33.8,34.78 27.96,40.63 27.42,40.63 25.48,42.57 17.66,42.57 ; 33.8,20.53 32.96,19.69 30.46,19.69 ; 33.8,20.53 33.8,17.82 34.44,17.19 R91.1 ; 52.72,19.06 52.72,20.46 54.73,22.47 54.73,24.31 ; 61.47,9.55 61.47,9.89 63.53,11.95 63.53,23.87 63.1,24.31 ; 67.24,7.9 J3.1 ; 66.59,8.55 61.86,8.55 61.47,8.94
  Top w1.53: 98.25,27.18 97.32,27.18 94.45,24.31 83.24,24.31 ; 83.24,24.31 81.52,24.31 ; 83.24,24.31 82.07,24.31
  In2.Cu w0.203: v1(63.45,24.54) 63.45,25.72 63.7,25.97 63.7,31.95 v1(63.52,32.12)
  In2.Cu w1.5: 81.58,24.31 81,23.72 81,10.24 v1(81,10.24)
  Bottom w1: TP53.1 67.18,3.77 J3.1
  Bottom w1.5: 33.79,23.68 34.41,24.31 81.58,24.31
  vias: v1(33.44,24.01) v1(33.51,23.28) v1(34.09,24.44) v1(34.11,23.61) v1(54.37,23.97) v1(54.7,24.67) v1(55.12,23.97) v1(62.74,24.54) v1(62.96,23.87) v1(63.88,23.87) v1(81,12) v1(81,11.12) v1(81.09,24.43) v1(81.43,23.88) v1(81.65,24.72) v1(81.99,24.18)
+BATT: length 122.5
  Top w0.203: v1(53.63,33.92) 53.6,33.95 53.6,36.76 R87.1 ; v1(36.66,22.71) 36.92,22.97 36.92,27.61 36.06,28.46 36.06,33.35 v1(36.23,33.52)
  Top w0.6: 40.95,0.92 v2(42.75,0.92) 45.95,0.92 R19.2 ; 40.95,0.92 40.11,0.92 v2(39.5,1.53) ; 40.95,0.92 40.48,0.92 ; v2(43.69,4.94) 43.69,5.56 44.74,6.61 U8.7
  Top w1: R92.2 24.4,20.99 23.94,20.54 20.3,20.54 17.22,17.46 13.39,17.46 12.38,16.44 12.38,2.37 13.53,1.22 18.49,1.22 19.44,2.17 J2.3
  In2.Cu w0.6: v2(42.75,0.92) 43.69,1.86 v2(43.69,4.94)
  Bottom w0.203: v1(53.63,33.92) 53.23,33.52 v1(36.23,33.52) ; v1(36.66,22.71) 35.92,21.97 26.51,21.97 v1(26.44,22.03) ; 19.49,3.89 J2.3
  Bottom w0.6: v2(39.5,1.53) 39.5,1.53 35.65,1.53 34.62,2.57 20.81,2.57 19.49,3.89
  Bottom w1: TP51.1 19.49,3.89
/driver/L_MOTOR_OUT+: length 3.9
  Top w0.203: v1(7.03,42.35) 6.67,42.35
  Top w0.8: 6.67,42.35 J4.2
  Bottom w0.8: TP58.1 6.31,43.08 v1(7.03,42.35)
